# Altium PCB FMC_DAC_125M_14B_16CHA.PcbDoc (part 3 of 9)
Units mm, origin at the board's own origin, x right, y up, seen from the top; angles counter-clockwise.
Board outline 77.15 x 69 mm, 8 copper layers (L1, P2, L3, P4, L5, P6, L7, L8), stack 1.438 mm thick; 612 components, 516 nets, 2304 pads, 1339 vias.
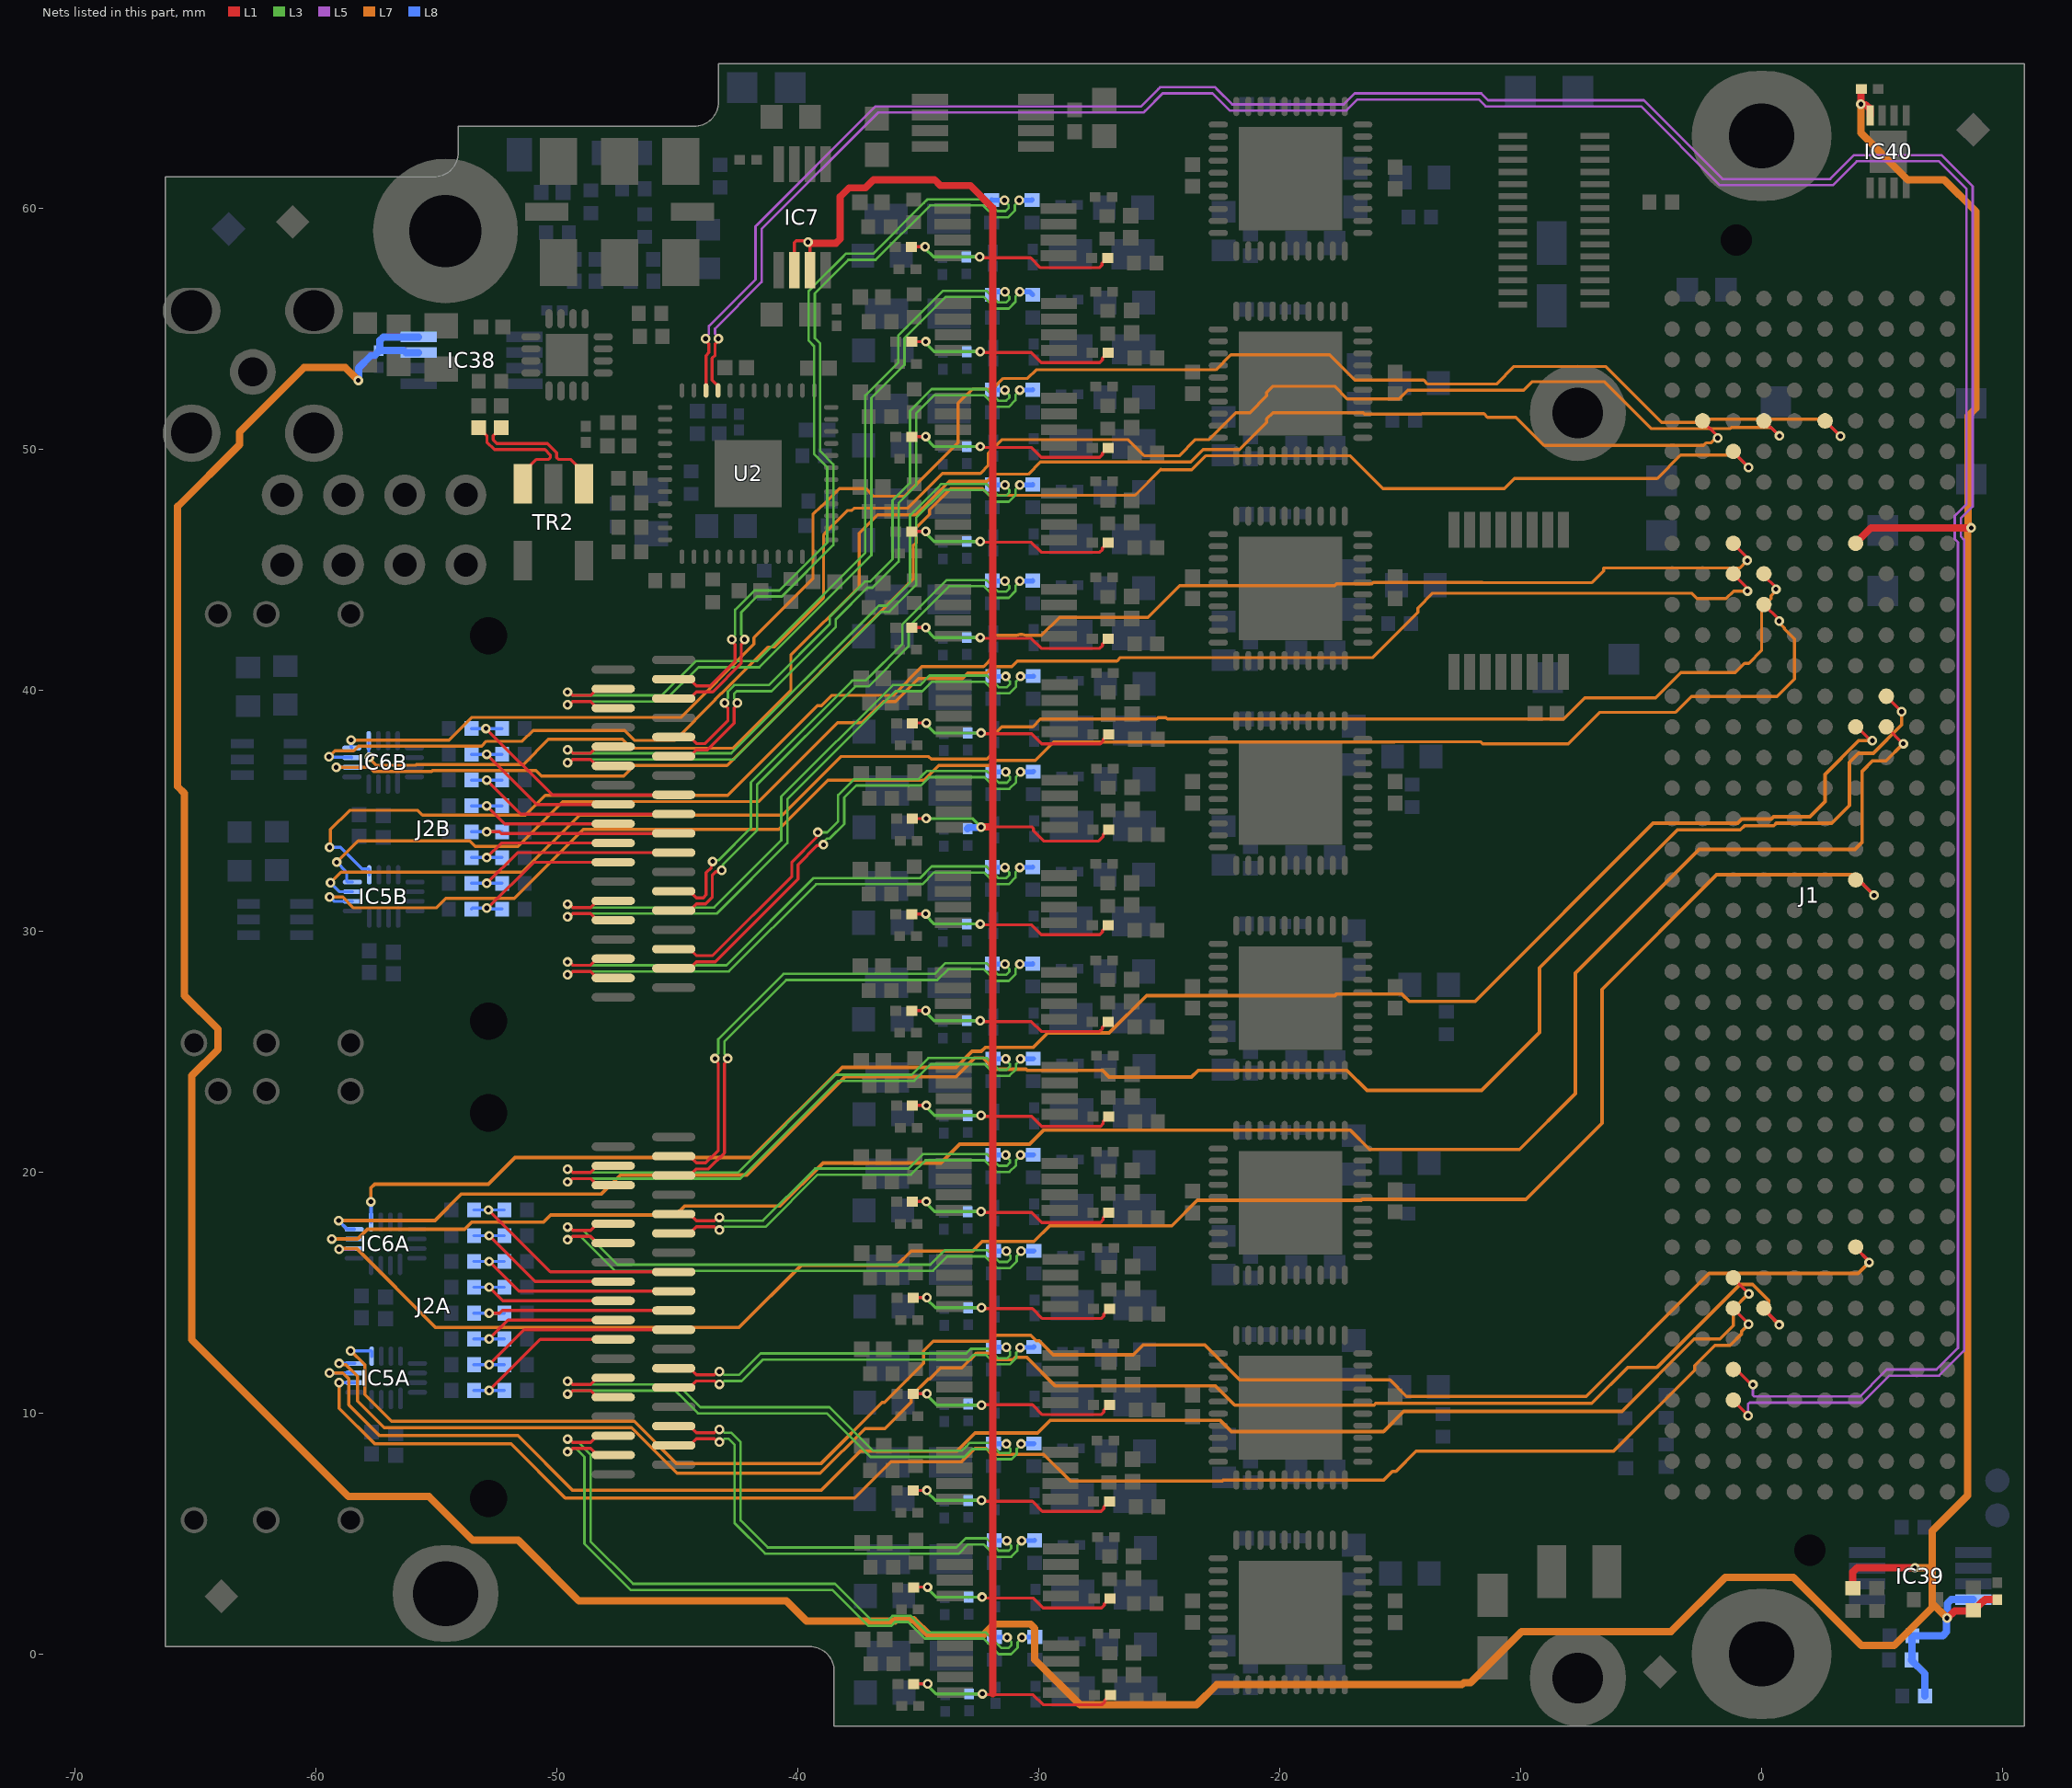
[diagram p9: the nets of this part, all layers, seen from the top]

## Part data (continued)
R35A R35B R35C R35D R35E R35F R35G R35H R35I R35J R35K R35L R35M R35N R35O R35P R38A R38B R38C R38D R38E R38F R38G R38H R38I R38J R38K R38L R38M R38N R38O R38P: library part RES_0402_249R_0.1%_10ppm, "Resistor - 0.1%", Case=0402, Manufacturer=GENERIC, Manufacturer1 ComponentHeight=0.35mm, Manufacturer1 Example="TE CONNECTIVITY", Manufacturer1 Part Number=RQ73C1E249RBTD, Manufacturer Part Number=R_0402_249R_0.1%_10ppm, Power=1/16W, Tolerance=±0.1%, Author=GK, Component Type=Standard, CreateDate=22.09.2015, HelpURL=\\cern.ch\dfs\Applications\Altium\Datasheets\R0402_TYCO_CPF.pdf, LatestRevisionDate=22.09.2015, Mounted=Yes, Part Description="Thin Film Precision Resistor", Part Number=R_0402_249R_0.1%_10ppm, Pin Count=2, PressFit=No, Sense=No, SMD=Yes, Socket=No, Status=Recommended, TC=±10ppm/°C
R36A R36B R36C R36D R36E R36F R36G R36H R36I R36J R36K R36L R36M R36N R36O R36P R39A R39B R39C R39D R39E R39F R39G R39H R39I R39J R39K R39L R39M R39N R39O R39P: library part R0402_10R_1%_0.0625W_200PPM, "Resistor - 1%", Case=0402, Manufacturer=GENERIC, Manufacturer1 ComponentHeight=0.4mm, Manufacturer1 Example="YAGEO PHYCOMP", Manufacturer1 Part Number=232270671009L, Power=0.0625W, Tolerance=±1%, Author="CERN DEM JLC", Component Type=Standard, CreateDate=24/06/2009, HelpURL=\\cern.ch\dfs\Applications\Altium\Datasheets\R0402_Phycomp_RC0402.pdf, LatestRevisionDate=17/10/2012, Manufacturer Part Number=R0402_10R_1%_0.0625W_200PPM, Mounted=Yes, Part Description="General Purpose Thick Film Chip Resistor", Part Number=R0402_10R_1%_0.0625W_200PPM, Pin Count=2, PressFit=No, Sense=No, SMD=Yes, Socket=No, Status="Not Recommended", TC=±200ppm/°C
R50 R51: library part R0603_110R_0.1%_0.063W_10PPM, "Resistor - 0.1%", Case=0603, Manufacturer=GENERIC, Manufacturer1 ComponentHeight=0.5mm, Manufacturer1 Example="TYCO HOLSWORTHY", Manufacturer1 Part Number=RN73C1J110RBTDF, Power=0.063W, Tolerance=±0.1%, Author="CERN DEM JLC", Component Type=Standard, CreateDate=03/12/2007, HelpURL=\\cern.ch\dfs\Applications\Altium\Datasheets\R0603_Tyco_RN73.pdf, LatestRevisionDate=13/03/2008, Manufacturer Part Number=R0603_110R_0.1%_0.063W_10PPM, Mounted=Yes, Part Description="Thin Film Chip Resistor", Part Number=R0603_110R_0.1%_0.063W_10PPM, Pin Count=2, PressFit=No, Sense=No, SMD=Yes, Socket=No, Status="Not Recommended", TC=±10ppm
R52 R53 R58 R59: library part R0603_220R_1%_0.1W_100PPM, "Resistor - 1%", Case=0603, Manufacturer=GENERIC, Manufacturer1 ComponentHeight=0.55mm, Manufacturer1 Example="NIC COMPONENT", Manufacturer1 Part Number=NRC06F2200TRF, Power=0.1W, Tolerance=±1%, Author="CERN DEM JLC", Component Type=Standard, CreateDate=03.12.2007, HelpURL=\\cern.ch\dfs\Applications\Altium\Datasheets\R0603_NIC_NRC.pdf, LatestRevisionDate=13.03.2008, Manufacturer Part Number=R0603_220R_1%_0.1W_100PPM, Mounted=Yes, Part Description="General Purpose Thick Film Chip Resistor", Part Number=R0603_220R_1%_0.1W_100PPM, Pin Count=2, Sense=No, SMD=Yes, Socket=No, Status=Preferred, TC=±100ppm/°C
R66A R66B R66C R66D R66E R66F R66G R66H R66I R66J R66K R66L R66M R66N R66O R66P R67A R67B R67C R67D R67E R67F R67G R67H R67I R67J R67K R67L R67M R67N R67O R67P: library part RES_0201_41R2_1%_200ppm, "41R2k, 0201, 1%", Case=0201, Manufacturer=GENERIC, Manufacturer1 ComponentHeight=0.27mm, Manufacturer1 Example=Yaego, Manufacturer1 Part Number=RC0201FR-0741R2L, Manufacturer Part Number=RES0201_41R2_1%_200ppm, Part Number=R0201_41R2_1%_200ppm, Power=0.05W, Tolerance=±1%, Author=GK, Component Type=Standard, CreateDate=2014-11-13, HelpURL="\\cern.ch\dfs\Applications\Altium\Datasheets\R0201_VISHAY_CRCW e3.pdf", LatestRevisionDate=2014-11-13, Mounted=Yes, Part Description="Thick Film Chip Resistor", Pin Count=2, SMD=Yes, Socket=No, Status="Not recommended", Table="Resistors SMD", TC=±200ppm/°C
R70 R71: library part R0603_NO-VALUE, "Resistor", Case=0603, Author="CERN DEM JLC", Component Type=Standard, CreateDate=03.12.2007, HelpURL=Undefined, LatestRevisionDate=13.03.2008, Manufacturer=Undefined, Manufacturer1 ComponentHeight=Undefined, Manufacturer1 Example=Undefined, Manufacturer1 Part Number=Undefined, Manufacturer Part Number=R0603_NO-VALUE, Mounted=No, Part Description="Reserved Footprint For a 0603 (1608) Chip Resistor", Part Number=R0603_NO-VALUE, Pin Count=2, PressFit=No, Sense=No, SMD=Yes, Socket=No, Status=None
R113 R114: library part R0402_0R_JUMPER, "Resistor - 1%", Case=0402, Manufacturer=GENERIC, Manufacturer1 ComponentHeight=0.4mm, Manufacturer1 Example=PHYCOMP, Manufacturer1 Part Number=232270591001, Author="CERN DEM JLC", Component Type=Standard, CreateDate=2007-12-03, HelpURL=\\cern.ch\dfs\Applications\Altium\Datasheets\R0402_Phycomp_RC0402.pdf, LatestRevisionDate=2008-03-13, Manufacturer Part Number=R0402_0R_JUMPER, Mounted=Yes, Part Description="1A (0.05R Max DC Resistance) Zero Ohm Jumper", Part Number=R0402_0R_JUMPER, Pin Count=2, SMD=Yes, Socket=No, Status="Not recommended", Table="Resistors SMD"
T1 T2: "Dual N-Channel micro TrenchMOS™ Ultra Low Level FET", Case=SOT363, Manufacturer="NXP SEMICONDUCTORS", Author="CERN DEM JLC", Bonding=No, Component Type=Standard, ComponentHeight=1.1mm, CreateDate=19/11/2014, Device=PMGD280UN, HelpURL=\\cern.ch\dfs\Applications\Altium\Datasheets\PMGD280UN.pdf, LatestRevisionDate=19/11/2014, Manufacturer Part Number=PMGD280UN, Mounted=Yes, PackageDescription="SOT363, SC70-6, SOT, 0.65mm Pitch, 6 pin, 1.25mm W X 2.00mm L X 1.10mm H, IPC Medium Density", Part Description="20V 870mA Dual N-Channel micro TrenchMOS™ Ultra Low Level FET", Part Number=PMGD280UN, Pin Count=6, PressFit=No, Sense=No, SMD=Yes, Socket=No
TP1 TP2: library part SMD_PAD_1.27X1.27MM, "Test Point", Author="CERN DEM JLC", Component Type="Standard (No BOM)", ComponentHeight=0mm, CreateDate=12.01.2008, Family="Test Point", HelpURL=Undefined, LatestRevisionDate=12.01.2008, Mounted=No, PackageDescription="1.27mm x 1.27mm PCB Copper Area (SMD Test Point)", Part Description="1.27mm x 1.27mm PCB Copper Area (SMD Test Point)", Part Number=SMD_PAD_1.27X1.27MM, Pin Count=1, Sense=No, SMD=Yes, Socket=No, Status=None
TP3 TP4 TP5 TP6 TP7 TP8 TP9 TP10 TP11 TP43 TP44: library part SMD_PAD_1.27X1.27MM, Author="CERN DEM JLC", Component Type="Standard (No BOM)", ComponentHeight=0mm, CreateDate=12.01.2008, Family="Test Point", HelpURL=Undefined, LatestRevisionDate=12.01.2008, Mounted=No, PackageDescription="1.27mm x 1.27mm PCB Copper Area (SMD Test Point)", Part Description="1.27mm x 1.27mm PCB Copper Area (SMD Test Point)", Part Number=SMD_PAD_1.27X1.27MM, Pin Count=1, Sense=No, SMD=Yes, Socket=No, Status=None
TR2: library part XFMR_MINI-CIRCUITS_TC1-1+, "50 Ohm  0.4 To 500MHz RF Transformers", Manufacturer=MINI-CIRCUITS, Manufacturer Part Number=TC1-1T+, Part Number=XFMR_MINI-CIRCUITS_TC1-1T+, Author="CERN DEM JLC", Component Type=Standard, ComponentHeight=4.06mm, CreateDate=2010-02-08, HelpURL=\\cern.ch\dfs\Applications\Altium\Datasheets\XFMR_MINI-CIRCUITS_TC1-1+.pdf, LatestRevisionDate=2010-04-27, Mounted=Yes, Part Description="50 Ohms 1.5 to 500 MHz RF Transformer", Pin Count=5, SMD=Yes, Socket=No, Status=None, Table=Transformers
U2: library part CMP-0884-00053-1, "12 LVDS / 24 CMOS Outputs, Low Power Clock Fanout Buffer, 1.8 V Supply, Industrial, 48-pin QFN (CP-48-6), Tray", Manufacturer="Analog Devices", Supply Voltage (V)=1.8, # of Inputs=2, # of Outputs=24, Code_JEDEC=MO-220-VKKD-2, ComponentLink1Description="Manufacturer URL", ComponentLink1URL=http://www.analog.com/en/index.html, ComponentLink2Description=Datasheet, ComponentLink2URL=http://www.analog.com/static/imported-files/data_sheets/ADCLK854.pdf, ComponentLink3Description="Package Specification", ComponentLink3URL=http:/www.analog.com/static/imported-files/packages/PKG_PDF/LFCSP(CP)/CP_48_6.pdf, ComponentLink4Description="Product URL", ComponentLink4URL=http://www.analog.com/en/clock-and-timing/clock-generation-and-distribution/adclk854/products/product.html, ComponentLink5Description="Reference Circuit", ComponentLink5URL=http://www.analog.com/en/clock-and-timing/clock-generation-and-distribution/adclk854/products/product.html#product-recommendations, DatasheetVersion="Rev. 0", I/O Interface="Pin Select", Max f-out="1.2 GHz", Mounting Technology="Surface Mount", On-Chip VCO or DCO=No, Output Logic="CMOS, LVDS", PackageDescription="48-Pin Lead Frame Chip Scale Package, Body 7 x 7 mm, Pitch 0.5 mm", PackageReference=CP-48-6, PackageVersion="080508-A, 08/2008", Packing=Tray, PartNumber=ADCLK854BCPZ

## Via types
v1: diameter 0.4, hole 0.2, L1 to L8, tented both sides, 1114 vias
v2: diameter 0.5, hole 0.2, L1 to L8, tented both sides, 132 vias
v3: diameter 0.4, hole 0.2, L1 to L8, 61 vias
v4: diameter 0.6, hole 0.3, L1 to L8, tented both sides, 30 vias
v5: diameter 0.6, hole 0.3, L1 to L8, 2 vias

## Nets (pads, with @x,y where several pads share a name; then routed paths per layer and width w, separated by ;. In a path a pad name is that pad's centre, name@x,y a point inside that pad or via, vN(x,y) a via of type N, cw(c..) or ccw(c..) an arc to the next point about the centre after c; other vN are vias at no path point)
3P3VAUX: C148.1 C149.1 C150.1 IC38.7 IC38.8 IC39.8 IC40.8 J1.d32 R105.2 R111.2 R112.2 R115.2 R116.2 | length 221.8
  L1 w0.305: R116.2@3.785,2.726 3.785,3.4 3.964,3.578 v1(6.358,3.578) ; J1.d32@3.905,46.096 4.536,46.726 8.693,46.726 v1(8.702,46.735) ; C148.1@4.139,64.951 4.13,64.942 4.13,64.326 v1(4.121,64.317) 4.14,64.299 4.321,64.299 4.501,64.118 IC40.8@4.501,63.848 ; v1(7.695,1.492) 7.721,1.492 8.018,1.789 8.759,1.789 R115.2@8.785,1.816 8.805,1.816 9.176,2.186 9.211,2.186 9.28,2.256 C150.1@9.785,2.256
  L7 w0.305: v1(-58.248,52.853) -58.781,53.386 -60.498,53.386 -63.176,50.707 -63.176,50.185 -65.742,47.62 -65.742,35.998 -65.462,35.718 -65.462,27.325 -64.065,25.927 -64.065,25.088 -65.157,23.996 -65.157,22.902 -65.156,13.039 -58.646,6.528 -55.313,6.528 -53.504,4.72 -51.612,4.72 -49.097,2.205 -40.484,2.205 -39.646,1.366 -35.968,1.366 -35.92,1.415 -35.188,1.415 -34.543,0.77 -32.322,0.77 -31.852,1.24 -30.345,1.24 -30.166,1.061 -30.166,-0.235 -28.287,-2.113 -23.457,-2.113 -22.621,-1.278 -12.44,-1.278 -12.357,-1.195 -12.078,-1.195 -9.962,0.921 -3.767,0.921 -1.509,3.179 1.317,3.179 4.146,0.35 5.505,0.35 7.085,1.931 7.085,2.102 ; v1(4.121,64.317) 4.121,63.123 6.061,61.183 7.582,61.183 8.896,59.869 8.896,51.701 8.575,51.38 v1@8.575,46.757 ; v1(6.358,3.578) 7.06,3.578 7.085,3.604 ; v1(7.695,1.492) 7.085,2.102 ; v1(8.702,46.735) 8.68,46.757 v1@8.575,46.757 ; 7.085,2.102 7.085,3.604 ; 7.085,3.604 7.085,5.105 8.553,6.573 8.553,46.735 v1@8.575,46.757
  L8 w0.305: v1(-58.248,52.853) -58.23,52.871 -58.23,53.373 -57.707,53.896 -57.562,53.896 -57.392,54.066 C149.1@-57.392,54.091 ; IC38.7@-55.745,54.011 -56.27,54.011 -56.35,54.091 C149.1@-57.392,54.091 ; IC38.8@-55.745,54.661 -57.195,54.661 -57.344,54.512 -57.344,54.139 C149.1@-57.392,54.091 ; R105.2@6.785,-1.744 6.785,-0.824 6.225,-0.264 R112.2@6.225,-0.244 6.24,-0.229 6.24,0.741 R111.2@6.255,0.756 7.516,0.756 7.677,0.916 7.677,1.474 v1(7.695,1.492) 7.713,1.511 7.713,2.095 7.874,2.256 IC39.8@8.785,2.256
AFE0_CTRL_0: J2A.A8 R40A.1 R48A.1 | length 7.3
  L1 w0.127: v1(-52.813,10.934) -50.692,13.054 J2A.A8@-47.665,13.054
  L8 w0.127: R40A.1@-53.445,10.934 v1(-52.813,10.934) R48A.1@-52.18,10.934
AFE0_CTRL_1: J2A.B8 R41A.1 R49A.1 | length 9.5
  L1 w0.127: v1(-52.813,12.003) -51.361,13.454 J2A.B8@-45.155,13.454
  L8 w0.127: R41A.1@-53.445,12.003 v1(-52.813,12.003) R49A.1@-52.18,12.003
AFE0_CTRL_2: J2A.A9 R42A.1 R60A.1 | length 6.7
  L1 w0.127: v1(-52.813,13.071) -52.03,13.854 J2A.A9@-47.665,13.854
  L8 w0.127: R42A.1@-53.445,13.071 v1(-52.813,13.071) R60A.1@-52.18,13.071
AFE0_CTRL_3: J2A.B9 R43A.1 R61A.1 | length 9
  L1 w0.127: v1(-52.813,14.14) -52.373,14.14 -52.259,14.254 J2A.B9@-45.155,14.254
  L8 w0.127: R43A.1@-53.445,14.14 v1(-52.813,14.14) R61A.1@-52.18,14.14
AFE0_CTRL_4: J2A.A10 R44A.1 R62A.1 | length 6.6
  L1 w0.127: v1(-52.813,15.221) -52.246,14.654 J2A.A10@-47.665,14.654
  L8 w0.127: R44A.1@-53.445,15.221 v1(-52.813,15.221) R62A.1@-52.18,15.221
AFE0_CTRL_5: J2A.B10 R45A.1 R63A.1 | length 9.4
  L1 w0.127: v1(-52.813,16.289) -51.578,15.054 J2A.B10@-45.155,15.054
  L8 w0.127: R45A.1@-53.445,16.289 v1(-52.813,16.289) R63A.1@-52.18,16.289
AFE0_CTRL_6: J2A.A11 R46A.1 R64A.1 | length 7.2
  L1 w0.127: v1(-52.813,17.358) -50.909,15.454 J2A.A11@-47.665,15.454
  L8 w0.127: R46A.1@-53.445,17.358 v1(-52.813,17.358) R64A.1@-52.18,17.358
AFE0_CTRL_7: J2A.B11 R47A.1 R65A.1 | length 10
  L1 w0.127: v1(-52.845,18.427) -50.272,15.854 J2A.B11@-45.155,15.854
  L8 w0.127: R47A.1@-53.445,18.427 v1(-52.845,18.427) R65A.1@-52.18,18.427
AFE0_CTRL_VADJ_0: IC5A.6 J1.h7 | length 67
  L1 w0.127: J1.h7@-1.175,14.346 -1.175,14.33 -0.54,13.695 v1(-0.54,13.685)
  L7 w0.135: v1(-59.042,11.257) -59.042,10.197 -57.564,8.719 -51.905,8.719 -49.659,6.474 -37.643,6.474 -36.145,7.972 -33.206,7.972 -32.649,8.529 -32.188,8.529 -31.948,8.289 -29.8,8.289 -28.695,7.183 -22.379,7.183 -22.357,7.206 -15.695,7.206 -15.324,7.578 -15.175,7.578 -14.34,8.412 -6.144,8.412 -2.779,11.777 -2.779,11.973 -1.943,12.809 -1.308,12.809 -0.822,13.295 -0.822,13.398 -0.54,13.68 v1(-0.54,13.685)
  L8 w0.135: v1(-59.042,11.257) IC5A.6@-58.392,11.257
AFE0_CTRL_VADJ_1: IC5A.7 J1.h8 | length 67.7
  L1 w0.127: J1.h8@-1.175,15.616 -1.175,15.6 -0.54,14.965 -0.54,14.949 v1(-0.532,14.941)
  L7 w0.135: v1(-59.443,11.657) -58.884,11.657 -58.647,11.42 -58.647,10.337 -57.373,9.063 -51.619,9.063 -49.359,6.802 -39.02,6.802 -37.41,8.412 -33.398,8.412 -32.639,9.171 -30.053,9.171 -29.521,9.703 -22.483,9.703 -22.007,9.228 -15.69,9.228 -14.851,10.067 -5.793,10.067 -2.789,13.071 -1.732,13.071 -1.175,13.628 -1.175,14.32 -0.555,14.941 v1(-0.532,14.941)
  L8 w0.135: v1(-59.443,11.657) IC5A.7@-58.392,11.657
AFE0_CTRL_VADJ_2: IC5A.8 J1.g7 | length 70.1
  L1 w0.135: J1.g7@0.095,14.346 0.095,14.318 0.728,13.685 v1(0.728,13.658)
  L7 w0.135: v1(-59.042,12.057) -58.991,12.006 -58.763,12.006 -58.281,11.524 -58.281,10.502 -57.172,9.393 -46.902,9.393 -45.007,7.497 -39.072,7.497 -37.212,9.358 -36.389,9.358 -35.3,10.447 -35.3,10.703 -34.585,11.418 -34.525,11.418 -34.071,11.872 -33.194,11.872 -32.576,12.49 -32.036,12.49 -31.764,12.218 -31.058,12.218 -30.975,12.302 -30.495,12.302 -29.312,11.119 -22.662,11.119 -21.87,10.328 -16.085,10.328 -16.015,10.398 -7.048,10.398 -5.548,11.897 -4.334,11.897 -0.896,15.335 -0.368,15.335 0.298,14.669 0.298,14.088 v1(0.728,13.658)
  L8 w0.135: v1(-59.042,12.057) IC5A.8@-58.392,12.057
AFE0_CTRL_VADJ_3: IC5A.9 J1.d9 | length 73.8
  L1 w0.135: J1.d9@3.905,16.886 3.905,16.848 4.464,16.289 v1(4.464,16.251)
  L7 w0.135: v1(-58.565,12.581) -58.554,12.581 -57.976,12.003 -57.976,10.763 -56.868,9.655 -46.794,9.655 -45.033,7.894 -39.047,7.894 -36.496,10.446 -36.399,10.446 -34.778,12.067 -34.778,12.581 -34.385,12.974 -32.036,12.974 -31.788,13.222 -30.339,13.222 -30.109,12.993 -29.983,12.993 -29.404,12.414 -26.077,12.414 -25.67,12.822 -23.11,12.822 -21.662,11.374 -15.423,11.374 -14.739,10.69 -7.283,10.69 -2.179,15.794 4.007,15.794 v1(4.464,16.251)
  L8 w0.135: v1(-58.565,12.581) -57.722,12.581 -57.692,12.551 IC5A.9@-57.692,12.357
AFE0_CTRL_VADJ_4: IC6A.6 J1.d21 | length 78
  L1 w0.127: J1.d21@4.033,32.117 v1@4.665,31.485
  L7 w0.145: v1(-59.044,16.793) -59.016,16.821 -58.309,16.821 -55.038,13.55 -42.448,13.55 -39.874,16.124 -35.897,16.124 -35.3,16.721 -32.747,16.721 -32.35,17.117 -30.201,17.117 -29.548,17.77 -24.478,17.77 -23.425,18.823 -16.627,18.823 -16.579,18.871 -9.782,18.871 -6.625,22.027 -6.625,27.579 -1.866,32.338 3.814,32.338 v1(4.668,31.485)
  L8 w0.145: v1(-59.044,16.793) -59.026,16.81 -58.424,16.81 IC6A.6@-58.414,16.821
AFE0_CTRL_VADJ_5: IC6A.7 J1.c26 | length 81
  L1 w0.127: J1.c26@5.175,38.476 5.18,38.476 5.18,38.473 5.877,37.776 v1(5.88,37.776)
  L7 w0.145: v1(-59.351,17.221) -58.274,17.221 -57.873,17.622 -53.832,17.622 -53.535,17.919 -50.559,17.919 -50.264,18.214 -45.076,18.214 -44.702,18.589 -40.736,18.589 -38.953,20.372 -34.071,20.372 -33.284,21.159 -30.382,21.159 -29.806,21.735 -17.068,21.735 -16.27,20.937 -10.047,20.937 -7.728,23.255 -7.728,28.261 -2.594,33.396 3.88,33.396 4.174,33.69 4.174,36.636 4.601,37.063 5.166,37.063 v1(5.88,37.776)
  L8 w0.145: v1(-59.351,17.221) IC6A.7@-58.414,17.221
AFE0_CTRL_VADJ_6: IC6A.8 J1.c27 | length 79.7
  L1 w0.127: J1.c27@5.175,39.746 5.18,39.746 5.18,39.743 5.813,39.111 v1(5.815,39.111)
  L7 w0.145: v1(-59.064,17.984) -59.031,17.952 -58.999,17.984 -55.068,17.984 -53.963,19.089 -48.155,19.089 -47.361,19.883 -42.121,19.883 -38.055,23.949 -33.445,23.949 -32.655,24.738 -32.322,24.738 -31.854,24.27 -30.537,24.27 -30.489,24.222 -27.353,24.222 -27.077,23.946 -23.662,23.946 -23.386,24.222 -17.209,24.222 -16.38,23.393 -11.626,23.393 -9.221,25.798 -9.221,28.474 -3.495,34.2 -0.885,34.2 -0.711,34.374 0.508,34.374 0.607,34.472 2.91,34.472 3.651,35.213 3.651,37.01 4.015,37.374 4.633,37.374 5.815,38.556 v1(5.815,39.111)
  L8 w0.145: v1(-59.064,17.984) -59.064,17.978 -58.707,17.621 IC6A.8@-58.414,17.621
AFE0_CTRL_VADJ_7: IC6A.9 J1.d26 | length 73.2
  L1 w0.127: J1.d26@4.033,38.467 4.033,38.409 4.537,37.904 v1(4.598,37.904)
  L7 w0.145: v1(-57.722,18.766) -57.722,19.338 -57.564,19.496 -52.844,19.496 -51.738,20.601 -41.909,20.601 -38.163,24.348 -33.431,24.348 -32.768,25.011 -32.383,25.011 -32.221,25.173 -30.232,25.173 -29.632,25.772 -27.08,25.772 -25.529,27.323 -17.716,27.323 -17.654,27.384 -14.924,27.384 -14.621,27.081 -11.891,27.081 -4.499,34.472 -0.998,34.472 -0.824,34.646 0.396,34.646 0.494,34.744 2.009,34.744 2.635,35.371 2.635,36.506 4.033,37.904 v1(4.598,37.904)
  L8 w0.145: v1(-57.722,18.766) -57.714,18.757 IC6A.9@-57.714,17.921
AFE1_CTRL_0: J2B.A8 R40B.1 R48B.1 | length 7.3
  L1 w0.127: v1(-52.913,30.953) -52.872,30.953 -50.972,32.854 J2B.A8@-47.665,32.854
  L8 w0.127: R40B.1@-53.545,30.913 -53.505,30.953 v1(-52.913,30.953) ; v1@-52.913,30.913 R48B.1@-52.28,30.913
AFE1_CTRL_1: J2B.B8 R41B.1 R49B.1 | length 9.5
  L1 w0.127: v1(-52.913,31.982) -51.64,33.254 J2B.B8@-45.155,33.254
  L8 w0.127: R41B.1@-53.545,31.982 v1(-52.913,31.982) R49B.1@-52.28,31.982
AFE1_CTRL_2: J2B.A9 R42B.1 R60B.1 | length 6.8
  L1 w0.127: v1(-52.913,33.051) -52.309,33.654 J2B.A9@-47.665,33.654
  L8 w0.127: R42B.1@-53.545,33.051 v1(-52.913,33.051) R60B.1@-52.28,33.051
AFE1_CTRL_3: J2B.B9 R43B.1 R61B.1 | length 9
  L1 w0.127: v1(-52.913,34.119) -52.373,34.119 -52.308,34.054 J2B.B9@-45.155,34.054
  L8 w0.127: R43B.1@-53.545,34.119 v1(-52.913,34.119) R61B.1@-52.28,34.119
AFE1_CTRL_4: J2B.A10 R44B.1 R62B.1 | length 6.8
  L1 w0.127: v1(-52.913,35.2) -52.167,34.454 J2B.A10@-47.665,34.454
  L8 w0.127: R44B.1@-53.545,35.2 v1(-52.913,35.2) R62B.1@-52.28,35.2
AFE1_CTRL_5: J2B.B10 R45B.1 R63B.1 | length 9.6
  L1 w0.127: v1(-52.913,36.269) -51.498,34.854 J2B.B10@-45.155,34.854
  L8 w0.127: R45B.1@-53.545,36.269 v1(-52.913,36.269) R63B.1@-52.28,36.269
AFE1_CTRL_6: J2B.A11 R46B.1 R64B.1 | length 7.4
  L1 w0.127: v1(-52.913,37.337) -50.83,35.254 J2B.A11@-47.665,35.254
  L8 w0.127: R46B.1@-53.545,37.337 v1(-52.913,37.337) R64B.1@-52.28,37.337
AFE1_CTRL_7: J2B.B11 R47B.1 R65B.1 | length 10.2
  L1 w0.127: v1(-52.945,38.406) -50.193,35.654 J2B.B11@-45.155,35.654 ; J2B.B11@-45.267,35.622 J2B.B11@-45.255,35.635
  L8 w0.127: R47B.1@-53.545,38.406 v1(-52.945,38.406) R65B.1@-52.28,38.406
AFE1_CTRL_VADJ_0: IC5B.6 J1.g30 | length 69.6
  L1 w0.127: J1.g30@0.095,43.556 0.73,42.921 v1(0.73,42.87)
  L7 w0.127: v1(-59.434,31.414) -58.893,31.414 -58.443,30.964 -55.016,30.964 -54.617,31.364 -51.764,31.364 -48.906,34.222 -40.786,34.222 -38.748,36.26 -34.771,36.26 -34.152,36.879 -32.044,36.879 -31.838,37.085 -30.149,37.085 -29.388,37.846 -15.231,37.846 -15.219,37.859 -11.662,37.859 -11.577,37.773 -8.021,37.773 -6.715,39.079 -3.567,39.079 -2.907,39.739 0.641,39.739 1.365,40.464 1.365,42.122 0.95,42.537 0.95,42.576 0.73,42.796 v1(0.73,42.87)
  L8 w0.127: v1(-59.434,31.414) v1(-59.434,31.414) -59.257,31.236 IC5B.6@-58.492,31.236
AFE1_CTRL_VADJ_1: IC5B.7 J1.g31 | length 68.7
  L1 w0.127: J1.g31@0.095,44.826 0.095,44.758 0.594,44.259 v1(0.594,44.191)
  L7 w0.127: v1(-59.399,32.002) -58.959,32.442 -51.441,32.442 -49.065,34.818 -40.652,34.818 -38.227,37.243 -34.572,37.243 -34.465,37.135 -32.147,37.135 -31.971,37.311 -31.971,38.046 -31.537,38.48 -30.248,38.48 -29.931,38.797 -25.114,38.797 -25.049,38.862 -24.725,38.862 -24.66,38.797 -8.223,38.797 -7.339,39.681 -4.392,39.681 -3.35,40.723 -1.09,40.723 -0.707,41.106 -0.533,41.106 0,41.638 0,43.405 0.396,43.8 0.396,43.919 0.594,44.117 v1(0.594,44.191)
  L8 w0.127: v1(-59.399,32.002) -59.033,31.636 IC5B.7@-58.492,31.636
AFE1_CTRL_VADJ_2: IC5B.8 J1.h31 | length 65.9
  L1 w0.127: J1.h31@-1.175,44.826 -1.175,44.81 -0.585,44.219 -0.586,44.218 v1(-0.586,44.113)
  L7 w0.127: v1(-59.142,32.858) -59.108,32.858 -59.108,32.892 -58.252,33.748 -53.624,33.748 -53.387,33.511 -51.619,33.511 -49.752,35.378 -41.62,35.378 -38.352,38.647 -37.333,38.647 -36.452,39.528 -35.942,39.528 -34.989,40.48 -33.169,40.48 -32.929,40.72 -32.149,40.72 -31.895,40.974 -31.115,40.974 -30.886,41.203 -26.757,41.203 -26.61,41.35 -16.141,41.35 -14.268,43.223 -14.268,43.404 -13.65,44.022 -2.912,44.022 -2.689,43.8 -1.472,43.8 -1.16,44.113 v1(-0.586,44.113)
  L8 w0.127: v1(-59.142,32.858) -58.728,32.445 -58.728,32.07 -58.695,32.036 IC5B.8@-58.492,32.036
AFE1_CTRL_VADJ_3: IC5B.9 J1.h32 | length 68.1
  L1 w0.127: J1.h32@-1.175,46.096 -1.175,46.08 -0.585,45.489 -0.592,45.482 v1(-0.592,45.377)
  L7 w0.127: v1(-59.434,33.473) -59.434,33.517 -59.399,33.552 -59.399,34.222 -58.61,35.011 -55.781,35.011 -55.58,34.809 -51.306,34.809 -50.483,35.632 -42.917,35.632 -39.191,39.358 -39.025,39.358 -38.601,39.782 -36.047,39.782 -34.854,40.974 -32.292,40.974 -31.892,41.374 -31.892,41.641 cw(c-31.35,41.701) -31.892,41.761 -31.892,42.161 -31.779,42.274 -30.929,42.274 cw(c-30.733,41.765) -30.537,42.274 -29.89,42.274 -29.142,43.022 -25.471,43.022 -24.161,44.332 -17.72,44.332 -17.639,44.413 -16.175,44.413 -16.112,44.475 -11.582,44.475 -11.569,44.462 -7.039,44.462 -6.557,44.945 -6.557,45.07 -0.899,45.07 v1(-0.592,45.377)
  L8 w0.127: v1(-59.434,33.473) -58.979,33.473 -58.082,32.576 -57.825,32.576 -57.792,32.543 IC5B.9@-57.792,32.336
AFE1_CTRL_VADJ_4: IC6B.6 J1.h35 | length 68.8
  L1 w0.127: J1.h35@-1.175,49.906 -1.175,49.89 -0.54,49.255 v1(-0.54,49.239)
  L7 w0.127: v1(-59.164,36.8) -57.778,36.8 -57.606,36.627 -55.194,36.627 -55.163,36.659 -50.868,36.659 -50.643,36.434 -47.229,36.434 -46.784,36.879 -42.942,36.879 -35.214,44.607 -35.214,45.992 -35.086,46.12 -35.086,46.75 -34.537,47.299 -34.537,47.485 -33.657,48.365 -32.343,48.365 -32.064,48.086 -26.012,48.086 -24.932,49.166 -24.912,49.146 -23.656,49.146 -23.077,49.725 -17.074,49.725 -15.714,48.365 -10.676,48.365 -10.259,48.782 -4.331,48.782 -3.361,49.753 -1.054,49.753 v1(-0.54,49.239)
  L8 w0.127: v1(-59.164,36.8) IC6B.6@-58.514,36.8
AFE1_CTRL_VADJ_5: IC6B.7 J1.g36 | length 72.8
  L1 w0.127: J1.g36@0.095,51.176 0.105,51.176 0.731,50.55 v1(0.741,50.55)
  L7 w0.127: v1(-59.459,37.237) v1(-59.459,37.237) -59.212,37.485 -58.437,37.485 -58.248,37.674 -53.128,37.674 -52.925,37.877 -51.441,37.877 -50.989,38.329 -47.193,38.329 -46.777,37.912 -45.117,37.912 -43.433,39.596 -43.433,39.628 -43.204,39.857 -43.172,39.857 -41.245,41.785 -40.982,41.785 -38.938,43.829 -38.938,46.428 -38.863,46.502 -38.863,46.535 -37.94,47.458 -37.764,47.458 -37.672,47.551 -35.447,47.551 -34,48.998 -32.426,48.998 -32.097,49.327 -32.097,49.832 -31.534,50.396 -26.285,50.396 -25.614,49.725 -24.174,49.725 -23.5,50.399 -22.937,50.399 -21.822,51.513 -21.239,51.513 -20.542,52.209 -20.542,52.355 -20.284,52.613 -17.72,52.613 -17.197,52.09 -15.049,52.09 -14.693,52.446 -9.869,52.446 -9.514,52.801 -6.531,52.801 -4.585,50.855 -1.295,50.855 -1.25,50.899 0.392,50.899 v1(0.741,50.55)
  L8 w0.127: v1(-59.459,37.237) -59.436,37.214 -58.528,37.214 IC6B.7@-58.514,37.2
AFE1_CTRL_VADJ_6: IC6B.8 J1.e36 | length 74.7
  L1 w0.127: J1.e36@2.635,51.176 v1(3.27,50.541)
  L7 w0.127: v1(-58.547,37.928) -54.479,37.928 -53.541,38.866 -44.863,38.866 -41.825,41.905 -41.825,42.17 -39.375,44.62 -39.375,47.296 -39.025,47.646 -39.002,47.646 -38.283,48.365 -37.178,48.365 -36.858,48.045 -35.579,48.045 -33.352,50.271 -33.352,51.905 -32.765,52.492 -31.917,52.492 -31.474,52.935 -30.471,52.935 -30.113,53.293 -22.653,53.293 -22.028,53.919 -17.926,53.919 -16.878,52.871 -14.026,52.871 -13.857,52.702 -11.006,52.702 -10.277,53.431 -6.477,53.431 -4.154,51.109 -2.406,51.109 -2.273,51.241 2.569,51.241 v1(3.27,50.541)